# Altium PCB RK_NVR_DEMO1_RK3588_LP4XD200P232SD8_V21_20211228_final_lint.PcbDoc (part 16 of 29) (continued)
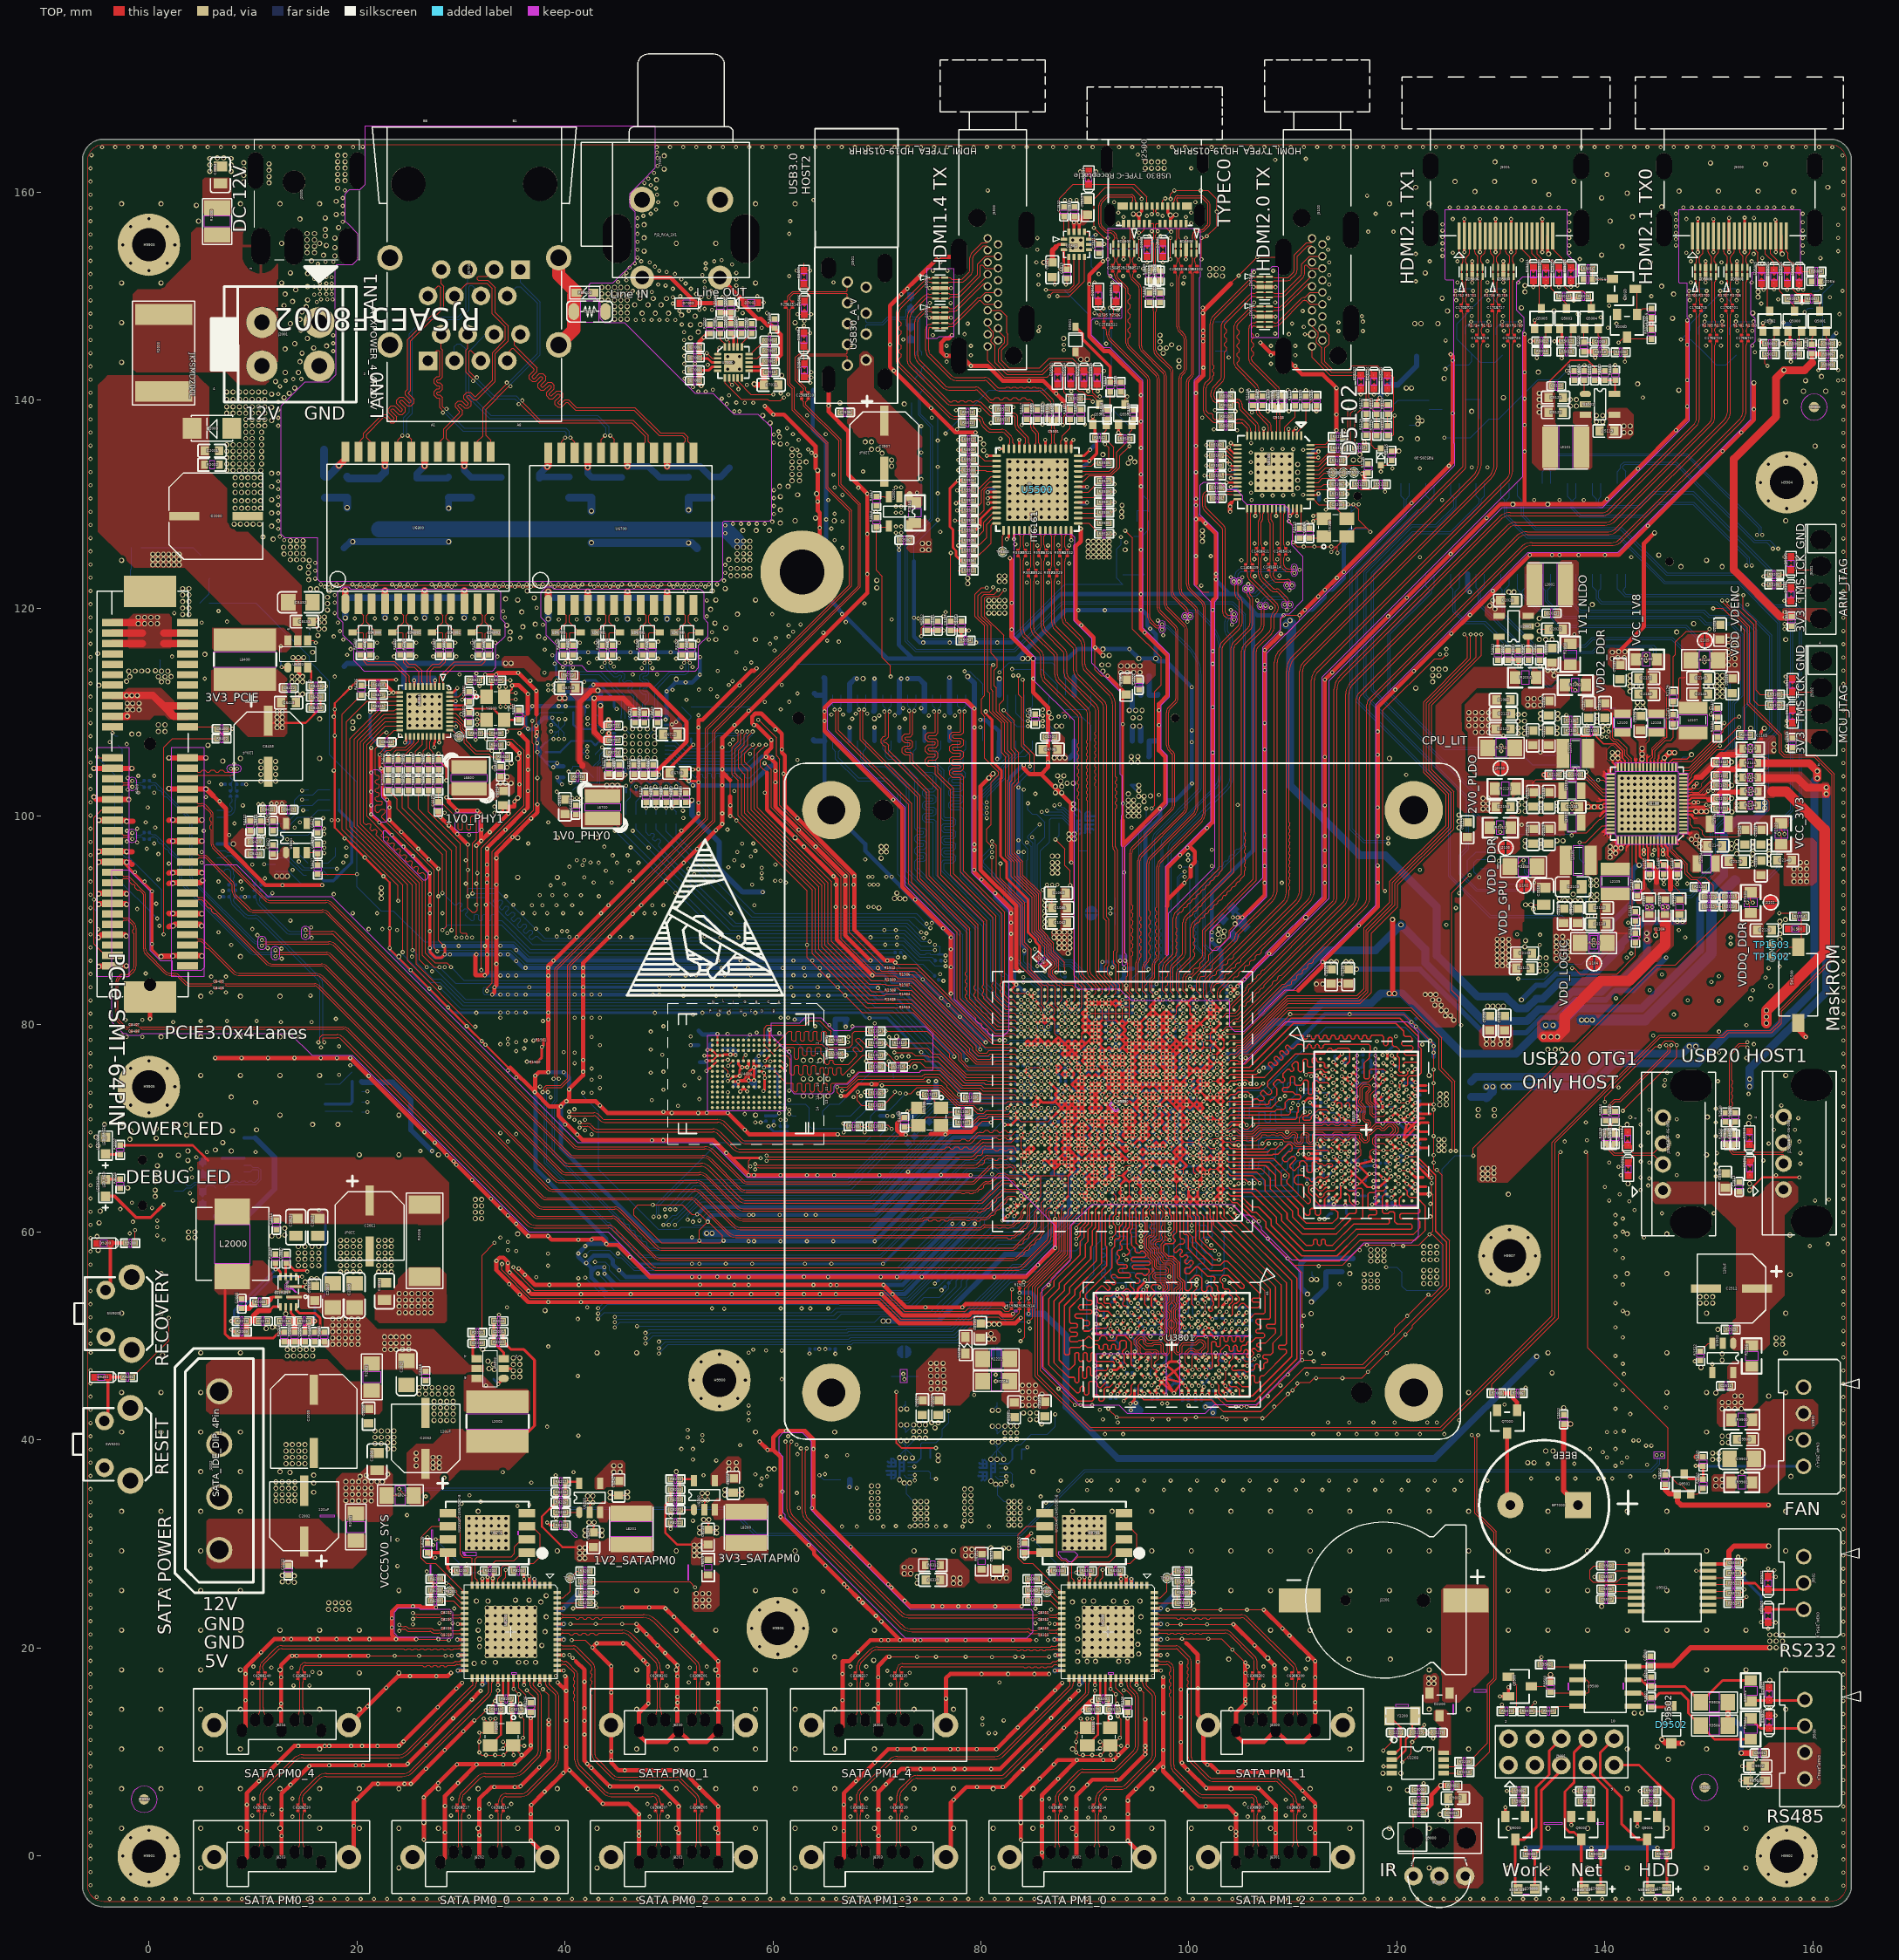
[diagram p0: TOP view]
## Nets (pads, with @x,y where several pads share a name; then routed paths per layer and width w, separated by ;. In a path a pad name is that pad's centre, name@x,y a point inside that pad or via, vN(x,y) a via of type N, cw(c..) or ccw(c..) an arc to the next point about the centre after c; other vN are vias at no path point) (continued)
HDMI0_TX0P_PORT: C1700.2 ED5001.1 ED5001.10 J5000.7 R1707.1 | length 7
  TOP w0.076: J5000.7@151.437,155.791 151.437,154.267 ccw(c151.707,154.267) 151.516,154.076 151.706,153.886 cw(c151.522,153.702) 151.782,153.702 151.782,153.281 cw(c151.641,153.281) 151.741,153.182 ccw(c151.865,153.057) 151.689,153.057 ED5001.10@151.689,152.774 ED5001.1@151.689,151.899 151.689,151.634 ccw(c151.909,151.634) 151.754,151.479 cw(c151.643,151.368) 151.8,151.368 151.8,150.576 cw(c151.093,150.576) 151.593,150.076 151.673,149.996 cw(c151.374,149.697) 151.797,149.697 151.797,149.55 cw(c151.207,149.55) C1700.2@151.624,149.133
HDMI0_TX0P_PORT/EDP0_TX_D0P: C1700.1 U1000.AJ2 | length 94
  TOP w0.076: U1000.AJ2@103.691,80.056 ccw(c103.691,80.609) 104.082,80.218 104.22,80.356 cw(c104.582,79.994) 104.582,80.506 104.639,80.506 ccw(c104.639,80.689) 104.769,80.559 108.042,83.832 108.042,83.921 108.042,84.009 108.204,84.171 108.381,84.171 108.543,84.333 108.543,84.422 108.543,84.51 108.705,84.672 108.882,84.672 115.701,91.491 ccw(c114.75,92.442) 116.095,92.442 116.095,111.29 cw(c116.742,111.291) 116.284,111.749 116.358,111.821 131.417,126.88 cw(c132.534,125.763) 132.534,127.343 140.199,127.343 ccw(c140.199,128.585) 141.078,127.707 141.219,127.848 151.447,138.077 ccw(c150.598,138.927) 151.8,138.927 151.8,148.208 ccw(c151.2,148.208) C1700.1@151.624,148.632
HDMI0_TX1N_PORT: C1703.2 ED5000.5 ED5000.6 J5000.6 R1704.1 | length 10
  TOP w0.076: C1703.2@150.752,146.212 cw(c151.175,146.635) 150.576,146.635 150.576,146.656 150.577,146.85 cw(c150.813,146.85) 150.646,147.017 R1704.1@150.784,147.155 cw(c151.284,147.656) 150.576,147.656 150.576,151.357 cw(c150.758,151.357) 150.578,151.383 cw(c150.758,151.357) 150.63,151.486 ccw(c150.492,151.624) 150.687,151.624 ED5000.5@150.687,151.899 ED5000.6@150.687,152.774 150.687,153.037 ccw(c150.462,153.037) 150.621,153.196 150.588,153.229 cw(c150.712,153.353) 150.537,153.353 150.537,153.684 cw(c150.841,153.684) 150.626,153.899 150.778,154.051 150.855,154.128 ccw(c150.66,154.324) 150.937,154.324 J5000.6@150.937,155.791
HDMI0_TX1N_PORT/EDP0_TX_D1N: C1703.1 U1000.AK2 | length 90.6
  TOP w0.076: U1000.AK2@103.691,80.706 103.762,80.777 104.361,80.777 ccw(c104.361,81.292) 104.725,80.928 105.122,81.325 105.122,81.609 105.24,81.727 105.296,81.727 ; 105.296,81.727 105.352,81.727 105.514,81.889 105.514,81.944 105.514,82.001 105.676,82.163 105.732,82.163 ; 105.732,82.162 105.788,82.162 105.95,82.324 105.95,82.38 ; 105.95,82.381 105.95,82.437 106.112,82.599 106.168,82.599 ; 106.168,82.598 106.224,82.598 106.386,82.76 106.386,82.816 ; 106.386,82.817 106.386,82.873 106.548,83.035 106.604,83.035 106.66,83.034 106.822,83.196 106.822,83.252 ; 106.821,83.253 106.821,83.308 106.984,83.47 107.039,83.47 ; 107.04,83.47 107.096,83.47 107.258,83.632 107.258,83.688 ; 107.257,83.688 107.257,83.744 114.997,91.484 ccw(c114.124,92.356) 115.358,92.356 115.358,111.753 cw(c116.572,111.753) 115.714,112.611 130.852,127.75 cw(c131.404,127.198) 131.404,127.978 139.996,127.978 ccw(c139.996,129.423) 141.017,128.401 141.197,128.581 150.253,137.636 ccw(c149.471,138.418) 150.576,138.418 150.576,145.287 cw(c151.175,145.287) C1703.1@150.752,145.711
HDMI0_TX1P_PORT: C1702.2 ED5000.4 ED5000.7 J5000.4 R1705.1 | length 9.9
  TOP w0.076: J5000.4@149.937,155.791 149.937,154.262 ccw(c150.252,154.262) 150.029,154.039 150.182,153.886 cw(c149.998,153.703) 150.258,153.703 150.258,153.301 cw(c150.015,153.301) 150.221,153.173 ccw(c150.303,153.09) 150.187,153.09 ED5000.7@150.187,152.774 ED5000.4@150.187,151.899 150.187,151.607 ccw(c150.34,151.607) 150.232,151.498 cw(c150.074,151.341) 150.297,151.341 150.297,147.654 cw(c149.591,147.654) R1705.1@150.09,147.155 150.228,147.017 cw(c150.061,146.85) 150.297,146.85 150.297,146.772 150.297,146.635 cw(c149.698,146.635) C1702.2@150.122,146.212
HDMI0_TX1P_PORT/EDP0_TX_D1P: C1702.1 U1000.AK3 | length 90.6
  TOP w0.076: U1000.AK3@103.041,80.706 103.281,80.706 103.632,81.057 104.361,81.057 ccw(c104.361,81.292) 104.527,81.126 104.843,81.441 104.843,81.725 114.799,91.681 ccw(c114.124,92.356) 115.079,92.356 115.079,111.753 cw(c116.572,111.753) 115.516,112.809 130.655,127.947 cw(c131.404,127.198) 131.404,128.258 139.996,128.258 ccw(c139.996,129.423) 140.82,128.599 140.999,128.778 150.055,137.834 ccw(c149.471,138.418) 150.297,138.418 150.297,145.288 ccw(c149.698,145.288) C1702.1@150.122,145.711
HDMI0_TX2N_PORT: C1705.2 ED5000.2 ED5000.9 J5000.3 R1702.1 | length 7
  TOP w0.076: C1705.2@149.252,149.133 cw(c149.675,149.556) 149.077,149.556 149.077,149.725 cw(c149.425,149.725) 149.179,149.971 R1702.1@149.284,150.076 cw(c149.784,150.577) 149.076,150.577 149.076,151.364 cw(c149.241,151.364) 149.125,151.481 ccw(c148.975,151.631) 149.187,151.631 ED5000.2@149.187,151.899 ED5000.9@149.187,152.774 149.187,153.13 149.089,153.228 149.089,153.72 cw(c149.247,153.72) 149.124,153.818 cw(c149.246,153.719) 149.135,153.831 149.356,154.051 ccw(c149.162,154.246) 149.437,154.246 J5000.3@149.437,155.791
HDMI0_TX2N_PORT/EDP0_TX_D2N: C1705.1 U1000.AL1 | length 91.5
  TOP w0.076: U1000.AL1@104.341,81.356 104.309,81.356 104.233,81.432 104.233,81.66 105.757,83.184 105.757,83.351 113.989,91.582 ccw(c113.381,92.19) 114.241,92.19 114.241,112.205 cw(c115.616,112.205) 114.644,113.178 114.794,113.328 129.983,128.517 cw(c130.889,127.611) 130.889,128.893 139.753,128.893 ccw(c139.753,129.923) 140.482,129.194 148.813,137.526 ccw(c148.173,138.165) 149.078,138.165 149.078,148.245 cw(c149.177,148.245) 149.078,148.252 cw(c149.676,148.208) C1705.1@149.252,148.632
HDMI0_TX2P_PORT: C1704.2 ED5000.1 ED5000.10 J5000.1 R1703.1 | length 7
  TOP w0.076: J5000.1@148.437,155.791 148.437,154.306 ccw(c148.671,154.306) 148.505,154.14 148.759,153.886 cw(c148.636,153.764) 148.783,153.856 cw(c148.637,153.763) 148.81,153.763 148.81,153.253 148.687,153.13 ED5000.10@148.687,152.774 ED5000.1@148.687,151.899 148.687,151.587 ccw(c148.793,151.587) 148.718,151.512 cw(c148.526,151.321) 148.788,151.391 cw(c148.527,151.32) 148.797,151.321 148.797,150.575 cw(c148.091,150.575) R1703.1@148.59,150.076 148.672,149.994 cw(c148.37,149.693) 148.797,149.693 148.797,149.556 cw(c148.199,149.556) C1704.2@148.622,149.133
HDMI0_TX2P_PORT/EDP0_TX_D2P: C1704.1 U1000.AL2 | length 91.9
  TOP w0.076: U1000.AL2@103.691,81.356 103.786,81.356 103.954,81.523 103.954,81.776 105.478,83.3 105.478,83.466 105.639,83.628 105.639,83.74 105.801,83.902 105.913,83.902 106.075,84.064 106.075,84.176 106.237,84.338 106.349,84.338 106.511,84.5 106.511,84.612 106.673,84.774 106.785,84.774 106.947,84.936 106.947,85.048 107.109,85.21 107.221,85.21 110.143,88.132 113.791,91.78 ccw(c113.382,92.19) 113.961,92.19 113.961,112.205 cw(c115.616,112.205) 114.446,113.375 114.596,113.526 129.785,128.715 cw(c130.889,127.611) 130.889,129.172 139.753,129.172 ccw(c139.753,129.923) 140.284,129.392 148.615,137.723 ccw(c148.173,138.165) 148.798,138.165 148.798,148.245 ; C1704.1@148.622,148.632 148.667,148.587 cw(c148.353,148.273) 148.797,148.273 148.797,148.245
HDMI0_TX3N_PORT: C1707.2 ED5001.5 ED5001.6 J5000.12 R1700.1 | length 9.9
  TOP w0.076: 153.579,147.594 ccw(c154.137,147.594) 153.742,147.199 R1700.1@153.786,147.155 ; 153.579,147.595 153.577,147.595 ccw(c152.588,147.654) 153.579,147.657 153.579,151.346 cw(c153.789,151.346) 153.64,151.494 ccw(c153.522,151.612) 153.689,151.612 ED5001.5@153.689,151.899 ED5001.6@153.689,152.774 153.689,153.061 ccw(c153.522,153.061) 153.64,153.179 cw(c153.772,153.312) 153.585,153.312 153.585,153.684 cw(c153.889,153.684) 153.674,153.899 153.862,154.087 ccw(c153.682,154.267) 153.937,154.267 J5000.12@153.937,155.791 ; C1707.2@153.754,146.212 cw(c154.178,146.635) 153.579,146.635 153.579,146.656 cw(c154.284,146.656) R1700.1@153.786,147.155
HDMI0_TX3N_PORT/EDP0_TX_D3N: C1707.1 U1000.AH2 | length 93.3
  TOP w0.076: U1000.AH2@103.691,79.405 103.767,79.482 104.791,79.482 ccw(c104.791,80.08) 105.213,79.657 109.135,83.579 109.338,83.579 109.5,83.741 109.601,83.741 109.703,83.74 109.865,83.902 109.865,84.003 ; 109.864,84.004 109.864,84.105 110.026,84.267 110.128,84.267 ; 110.128,84.267 110.229,84.267 110.391,84.429 110.391,84.53 110.391,84.631 110.553,84.793 110.654,84.793 110.755,84.793 110.917,84.955 110.917,85.056 110.917,85.158 111.079,85.32 111.18,85.32 ; 111.181,85.319 111.282,85.319 111.444,85.481 111.444,85.582 ; 111.443,85.583 111.443,85.684 111.605,85.846 111.706,85.846 111.808,85.845 111.97,86.007 111.97,86.109 111.97,86.21 117.035,91.275 ccw(c116.176,92.134) 117.39,92.134 117.39,110.719 cw(c117.911,110.719) 117.543,111.087 132.122,125.667 cw(c132.981,124.808) 132.981,126.022 140.606,126.022 ccw(c140.606,127.494) 141.646,126.453 153.104,137.911 153.125,137.933 ccw(c152.03,139.027) 153.579,139.027 153.579,145.287 cw(c154.178,145.287) C1707.1@153.754,145.711
HDMI0_TX3P_PORT: C1706.2 ED5001.4 ED5001.7 J5000.10 R1701.1 | length 9.9
  TOP w0.076: J5000.10@152.937,155.791 152.937,154.369 ccw(c153.395,154.369) 153.071,154.045 153.23,153.886 cw(c153.046,153.702) 153.306,153.702 153.306,153.313 cw(c153.145,153.313) 153.259,153.2 ccw(c153.427,153.031) 153.189,153.031 ED5001.7@153.189,152.774 ED5001.4@153.189,151.899 153.189,151.62 ccw(c153.375,151.62) 153.244,151.489 cw(c153.109,151.354) 153.299,151.354 153.299,147.657 cw(c152.589,147.657) R1701.1@153.092,147.155 cw(c152.593,146.656) 153.299,146.656 153.299,146.635 cw(c152.701,146.635) C1706.2@153.124,146.212
HDMI0_TX3P_PORT/EDP0_TX_D3P: C1706.1 U1000.AH3 | length 93
  TOP w0.076: U1000.AH3@103.041,79.405 103.281,79.405 103.637,79.761 104.79,79.761 ccw(c104.79,80.08) 105.016,79.855 109.019,83.858 109.223,83.858 116.837,91.473 ccw(c116.176,92.134) 117.111,92.134 117.111,110.719 cw(c117.911,110.719) 117.345,111.285 131.925,125.864 cw(c132.981,124.808) 132.981,126.302 140.606,126.302 ccw(c140.606,127.494) 141.449,126.651 141.576,126.778 152.905,138.107 152.927,138.13 ccw(c152.03,139.027) 153.299,139.027 153.299,145.288 ccw(c152.701,145.288) C1706.1@153.124,145.711
HDMI0_TX_CEC_PORT: ED5005.1 J5000.13 Q5002.3 | length 7.9
  TOP w0.102: J5000.13@154.437,155.791 154.437,154.457 154.728,154.166 154.728,152.818 ED5005.1@155.044,152.503 155.136,152.503 155.65,151.988 155.65,148.742 Q5002.3@155.841,148.551
HDMI0_TX_HPD_PORT: ED5002.1 J5000.19 R5004.2 | length 5.2
  TOP w0.102: J5000.19@157.437,155.791 157.437,154.302 157.624,154.115 157.624,153.607 158.183,153.048 158.386,153.048 158.659,152.775 ED5002.1@158.659,152.515 158.811,152.362 R5004.2@159.88,152.362
HDMI0_TX_ON_H: Q1700.1 Q1701.1 Q1702.1 Q1703.1 U1000.AL24 | length 151.6
  TOP w0.089: 88.079,83.96 89.3,83.96
  TOP w0.102: v4(81.678,121.755) 81.271,121.349 80.332,121.349 80.052,121.069 80.052,119.215 80.967,118.301 80.967,115.659 81.576,115.05 81.576,114.338 81.271,114.034 81.271,112.51 81.475,112.306 81.475,110.071 82.592,108.954 82.592,106.312 82.999,105.906 82.999,103.467 82.795,103.264 82.795,96.288 83.507,95.577 83.507,94.239 85.339,92.406 85.339,89.01 85.945,88.404 85.945,88.227 86.555,87.618 86.555,86.805 87.266,86.094 87.266,85.484 86.91,85.128 86.91,84.824 87.367,84.366 87.672,84.366 88.079,83.96 ; 89.3,83.96 89.693,83.566 89.693,81.658 U1000.AL24@89.391,81.356
  L4-S1 w0.102: v4(124.756,116.066) 124.248,116.574 124.248,122.162 129.836,127.75 129.836,129.578 131.055,130.798 138.066,130.798 146.092,138.824 146.092,144.615 v4(147.311,145.834)
  L6-S2 w0.102: v4(81.678,121.755) 82.084,122.162 82.592,122.162 82.795,121.958 90.009,121.958 90.212,122.162 95.629,122.162 100.811,116.98 108.144,116.98 108.753,116.37 124.451,116.37 v4(124.756,116.066)
  BOTTOM w0.102: Q1700.1@152.643,144.376 151.662,143.396 150.702,143.396 Q1702.1@149.671,144.427 148.264,145.834 v4(147.311,145.834) 148.226,146.749 148.226,147.333 149.671,148.778 Q1701.1@149.671,148.847 150.846,150.022 151.467,150.022 Q1703.1@152.643,148.847
  other v3: 124.756,116.066 81.678,121.755 147.311,145.834
  other v12: 124.756,116.066 81.678,121.755
  other v17: 124.756,116.066 147.311,145.834
HDMI0_TX_SCL_PORT: ED5004.1 J5000.15 Q5000.3 R5001.2 | length 8.5
  TOP w0.102: J5000.15@155.437,155.791 155.437,154.067 156.246,153.258 ED5004.1@156.246,152.515 156.338,152.515 156.793,152.059 156.793,150.474 R5001.2@157.541,149.727 158.245,149.023 Q5000.3@158.245,148.551
HDMI0_TX_SDA_PORT: ED5003.1 J5000.16 Q5001.3 R5007.2 | length 10.1
  TOP w0.102: J5000.16@155.937,155.791 155.937,154.073 ED5003.1@157.507,152.503 157.599,152.503 158.063,152.039 158.063,150.635 158.444,150.254 159.841,150.254 160.339,149.756 R5007.2@160.339,149.727 160.651,149.415 Q5001.3@160.651,148.551
HDMI1_TX0N_PORT: C1717.2 ED5007.2 ED5007.9 J5001.9 R1715.1 | length 7.3
  TOP w0.076: C1717.2@129.801,149.133 129.684,149.249 cw(c129.825,149.39) 129.625,149.39 129.625,149.797 cw(c129.8,149.797) 129.677,149.92 R1715.1@129.832,150.076 129.712,150.196 ; J5001.9@129.983,155.791 129.983,154.267 cw(c129.786,154.267) 129.925,154.128 129.862,154.064 129.658,153.861 ccw(c129.781,153.738) 129.608,153.738 129.608,153.335 ccw(c129.794,153.335) 129.662,153.203 129.687,153.179 cw(c129.57,153.061) 129.736,153.061 ED5007.9@129.736,152.774 ED5007.2@129.736,151.899 129.735,151.836 129.735,151.771 cw(c129.06,151.768) 129.677,151.496 ccw(c129.802,151.37) 129.625,151.371 129.625,150.406 ; 129.625,150.406 ccw(c129.923,150.406) 129.712,150.196 ; 129.625,150.406 129.625,150.283 129.712,150.196
HDMI1_TX0N_PORT/EDP1_TX_D0N: C1717.1 U1000.AP4 | length 77
  TOP w0.076: U1000.AP4@102.391,83.306 102.38,83.316 102.38,83.554 cw(c102.569,83.554) 102.435,83.687 102.658,83.909 102.836,83.909 102.912,83.986 102.912,84.163 103.082,84.333 103.183,84.333 ; 103.183,84.333 103.285,84.333 103.447,84.495 103.447,84.596 ; 103.446,84.596 103.446,84.697 103.608,84.859 103.709,84.859 103.811,84.859 103.973,85.021 103.973,85.122 103.972,85.224 104.134,85.386 104.236,85.386 ; 104.236,85.385 104.337,85.385 104.499,85.547 104.499,85.648 ; 104.499,85.649 104.499,85.75 104.661,85.912 104.762,85.912 ; 104.762,85.911 104.863,85.911 105.025,86.073 105.025,86.175 105.025,86.276 105.452,86.703 110.406,91.657 ccw(c109.161,92.901) 110.921,92.901 110.921,113.932 cw(c111.859,113.932) 111.196,114.595 129.031,132.431 ccw(c127.596,133.865) 129.625,133.865 129.625,148.297 cw(c130.012,148.297) 129.738,148.57 C1717.1@129.801,148.632
HDMI1_TX0P_PORT: C1716.2 ED5007.1 ED5007.10 J5001.7 R1716.1 | length 7
  TOP w0.076: J5001.7@128.983,155.791 128.983,154.266 ccw(c129.251,154.266) 129.061,154.077 129.265,153.873 cw(c129.111,153.72) 129.328,153.72 129.328,153.329 cw(c129.072,153.329) 129.283,153.183 ccw(c129.397,153.069) 129.235,153.069 ED5007.10@129.235,152.774 ED5007.1@129.235,151.899 129.235,151.689 ccw(c129.613,151.689) 129.297,151.483 cw(c129.178,151.364) 129.346,151.364 129.346,150.406 cw(c129.049,150.406) 129.259,150.196 R1716.1@129.139,150.076 129.295,149.92 cw(c129.171,149.797) 129.346,149.797 129.346,149.39 cw(c129.147,149.39) 129.288,149.25 C1716.2@129.17,149.133
HDMI1_TX0P_PORT/EDP1_TX_D0P: C1716.1 U1000.AN4 | length 77.2
  TOP w0.076: U1000.AN4@102.391,82.656 102.391,82.856 102.101,83.146 102.101,83.554 cw(c102.569,83.554) 102.238,83.884 110.208,91.855 ccw(c109.162,92.901) 110.641,92.901 110.641,113.932 cw(c111.859,113.932) 110.998,114.793 128.833,132.628 ccw(c127.596,133.865) 129.346,133.865 129.346,148.297 ccw(c128.959,148.297) 129.232,148.57 C1716.1@129.17,148.632
HDMI1_TX1N_PORT: C1719.2 ED5006.5 ED5006.6 J5001.6 R1713.1 | length 10
  TOP w0.076: C1719.2@128.298,146.212 128.218,146.292 cw(c128.448,146.521) 128.123,146.521 128.123,146.85 cw(c128.359,146.85) 128.192,147.017 R1713.1@128.33,147.155 128.264,147.221 cw(c128.604,147.562) 128.123,147.562 128.123,151.495 cw(c128.235,151.495) 128.156,151.574 ccw(c127.857,151.803) 128.233,151.803 ED5006.5@128.233,151.899 ED5006.6@128.233,152.774 128.233,153.043 ccw(c128.022,153.043) 128.171,153.192 128.123,153.24 cw(c128.219,153.337) 128.083,153.336 128.083,153.738 cw(c128.258,153.738) 128.134,153.861 128.338,154.064 128.371,154.097 ccw(c128.098,154.369) 128.483,154.369 J5001.6@128.483,155.791
HDMI1_TX1N_PORT/EDP1_TX_D1N: C1719.1 U1000.AN5 | length 75.1
  TOP w0.076: U1000.AN5@101.741,82.656 101.687,82.71 101.687,83.923 cw(c102.035,83.923) 101.789,84.168 101.849,84.228 101.917,84.228 101.992,84.304 101.992,84.372 102.296,84.676 102.403,84.675 102.51,84.675 102.672,84.837 102.672,85.051 102.833,85.212 103.047,85.212 103.209,85.374 103.209,85.588 103.37,85.749 103.584,85.749 103.746,85.911 103.746,86.125 103.907,86.286 104.121,86.286 104.282,86.448 104.282,86.662 109.238,91.617 ccw(c108.259,92.596) 109.643,92.596 109.643,92.92 109.719,92.997 109.719,93.225 109.643,93.301 109.643,93.53 109.719,93.606 109.719,93.835 109.643,93.911 109.643,94.14 109.719,94.216 109.719,94.444 109.643,94.521 109.643,94.749 109.719,94.825 109.719,95.054 109.643,95.13 109.643,95.359 109.719,95.435 109.719,95.664 109.643,95.74 109.643,95.968 109.719,96.045 109.719,96.273 109.643,96.349 109.643,96.578 109.719,96.654 109.719,96.883 109.643,96.959 109.643,97.188 109.719,97.264 109.719,97.492 109.643,97.569 109.643,97.797 109.719,97.873 109.719,98.102 109.643,98.178 109.643,98.407 109.719,98.483 109.719,98.712 109.643,98.788 109.643,99.016 109.719,99.093 109.719,99.321 109.643,99.397 109.643,113.934 cw(c111.416,113.934) 110.162,115.188 127.515,132.541 ccw(c126.049,134.007) 128.123,134.007 128.123,145.287 cw(c128.722,145.287) C1719.1@128.298,145.711
HDMI1_TX1P_PORT: C1718.2 ED5006.4 ED5006.7 J5001.4 R1714.1 | length 9.9
  TOP w0.076: J5001.4@127.483,155.791 127.483,154.267 ccw(c127.812,154.267) 127.579,154.035 127.741,153.873 cw(c127.588,153.721) 127.804,153.721 127.804,153.301 cw(c127.562,153.301) 127.771,153.179 ccw(c127.862,153.088) 127.733,153.088 ED5006.7@127.733,152.774 ED5006.4@127.733,151.899 127.733,151.695 ccw(c127.975,151.695) 127.804,151.524 cw(c127.709,151.429) 127.843,151.429 127.843,151.209 127.844,147.562 cw(c127.362,147.562) 127.703,147.221 R1714.1@127.637,147.155 127.774,147.017 cw(c127.607,146.85) 127.844,146.85 127.844,146.521 cw(c127.519,146.521) 127.749,146.292 C1718.2@127.668,146.212
HDMI1_TX1P_PORT/EDP1_TX_D1P: C1718.1 U1000.AM5 | length 74.6
  TOP w0.076: U1000.AM5@101.741,82.006 101.741,82.246 101.408,82.579 101.408,83.923 cw(c102.035,83.923) 101.591,84.366 109.04,91.815 ccw(c108.259,92.595) 109.364,92.596 109.364,113.934 cw(c111.416,113.934) 109.965,115.385 127.317,132.738 ccw(c126.049,134.007) 127.843,134.007 127.843,145.288 ccw(c127.245,145.288) C1718.1@127.668,145.711
HDMI1_TX2N_PORT: C1721.2 ED5006.2 ED5006.9 J5001.3 R1711.1 | length 7
  TOP w0.076: C1721.2@126.798,149.133 126.753,149.178 cw(c127.067,149.492) 126.623,149.492 126.623,149.576 126.623,149.797 cw(c126.798,149.797) 126.674,149.92 R1711.1@126.83,150.076 126.71,150.196 cw(c126.92,150.406) 126.623,150.406 126.623,151.325 126.623,151.398 cw(c126.809,151.398) 126.677,151.53 ccw(c126.356,151.727) 126.733,151.727 ED5006.2@126.733,151.899 ED5006.9@126.733,152.774 126.733,153.054 ccw(c126.616,153.054) 126.699,153.137 126.65,153.186 cw(c126.715,153.251) 126.623,153.251 126.623,153.561 cw(c126.887,153.561) 126.69,153.737 cw(c126.886,153.56) 126.7,153.747 126.843,153.89 ccw(c126.506,154.228) 126.983,154.228 J5001.3@126.983,155.791
HDMI1_TX2N_PORT/EDP1_TX_D2N: C1721.1 U1000.AP6 | length 76.2
  TOP w0.076: U1000.AP6@101.091,83.306 101.033,83.364 101.033,84.337 cw(c101.316,84.337) 101.116,84.537 101.194,84.616 101.482,84.616 101.643,84.777 101.643,85.065 101.805,85.226 102.093,85.226 102.254,85.388 102.254,85.676 104.58,88.001 ccw(c104.253,88.329) 104.716,88.329 104.716,88.43 cw(c104.926,88.43) 104.777,88.579 108.019,91.82 ccw(c106.856,92.983) 108.5,92.984 108.5,114.798 cw(c109.844,114.798) 108.894,115.748 126.518,133.373 ccw(c126.267,133.624) 126.623,133.624 126.623,148.297 cw(c127.009,148.297) 126.736,148.57 C1721.1@126.798,148.632
HDMI1_TX2P_PORT: C1720.2 ED5006.1 ED5006.10 J5001.1 R1712.1 | length 7
  TOP w0.076: J5001.1@125.983,155.791 125.983,154.251 ccw(c126.391,154.251) 126.102,153.962 126.227,153.838 cw(c125.943,153.557) 126.274,153.782 cw(c125.944,153.556) 126.343,153.556 126.343,153.332 cw(c126.123,153.332) 126.279,153.176 ccw(c126.389,153.066) 126.233,153.065 ED5006.10@126.233,152.774 ED5006.1@126.233,151.899 126.233,151.59 ccw(c126.346,151.59) 126.266,151.51 cw(c126.08,151.324) 126.343,151.324 126.343,151.209 126.344,150.385 cw(c126.098,150.385) 126.272,150.211 R1712.1@126.137,150.076 126.28,149.933 126.292,149.92 cw(c126.169,149.797) 126.344,149.797 126.344,149.692 ; C1720.2@126.168,149.133 126.213,149.178 ccw(c125.899,149.492) 126.343,149.492 126.343,149.692
HDMI1_TX2P_PORT/EDP1_TX_D2P: C1720.1 U1000.AN6 | length 76.6
  TOP w0.076: U1000.AN6@101.091,82.656 101.091,82.896 100.753,83.234 100.753,84.337 cw(c101.316,84.337) 100.918,84.735 104.382,88.199 ccw(c104.253,88.329) 104.436,88.329 104.436,88.431 cw(c104.926,88.43) 104.579,88.776 107.821,92.018 ccw(c106.856,92.983) 108.221,92.983 108.221,114.798 cw(c109.844,114.798) 108.696,115.946 126.321,133.57 ccw(c126.267,133.625) 126.343,133.625 126.343,148.297 ccw(c125.956,148.297) 126.23,148.57 C1720.1@126.168,148.632
HDMI1_TX3N_PORT: C1723.2 ED5007.5 ED5007.6 J5001.12 R1709.1 | length 10
  TOP w0.076: C1723.2@131.3,146.212 131.125,146.387 131.125,146.655 131.125,146.771 cw(c131.553,146.771) 131.25,147.073 R1709.1@131.332,147.155 131.194,147.293 cw(c131.361,147.46) 131.125,147.46 131.125,151.454 cw(c131.227,151.454) 131.155,151.526 ccw(c130.859,151.758) 131.235,151.758 ED5007.5@131.235,151.899 ED5007.6@131.235,152.774 131.235,153.079 ccw(c131.112,153.079) 131.199,153.167 131.193,153.172 cw(c131.343,153.322) 131.132,153.322 131.132,153.738 cw(c131.305,153.738) 131.159,153.832 cw(c131.305,153.738) 131.182,153.861 131.408,154.087 ccw(c131.228,154.267) 131.483,154.267 J5001.12@131.483,155.791
HDMI1_TX3N_PORT/EDP1_TX_D3N: C1723.1 U1000.AN3 | length 75.3
  TOP w0.076: U1000.AN3@103.041,82.656 103.014,82.683 103.014,83.046 cw(c103.259,83.046) 103.086,83.219 103.917,84.051 104.019,84.051 ; 104.019,84.05 104.12,84.05 104.282,84.212 104.282,84.314 ; 104.282,84.314 104.282,84.415 104.444,84.577 104.545,84.577 104.646,84.577 104.809,84.739 104.809,84.84 104.808,84.941 104.97,85.103 105.071,85.103 105.173,85.103 105.335,85.265 105.335,85.366 ; 105.334,85.367 105.334,85.468 105.496,85.63 105.597,85.63 ; 105.598,85.629 105.699,85.629 105.861,85.791 105.861,85.892 105.861,85.994 106.023,86.156 106.124,86.156 106.225,86.156 106.387,86.318 106.387,86.419 106.387,86.52 106.57,86.703 106.773,86.703 106.976,86.906 106.976,87.108 111.625,91.759 ccw(c110.585,92.799) 112.056,92.799 112.056,113.056 cw(c113.216,113.056) 112.396,113.877 130.732,132.213 ccw(c129.784,133.161) 131.125,133.161 131.125,145.428 cw(c131.385,145.428) 131.201,145.612 C1723.1@131.3,145.711
HDMI1_TX3P_PORT: C1722.2 ED5007.4 ED5007.7 J5001.10 R1710.1 | length 10
  TOP w0.076: J5001.10@130.483,155.791 130.483,154.249 ccw(c130.653,154.249) 130.533,154.129 130.789,153.873 cw(c130.635,153.721) 130.817,153.838 cw(c130.635,153.72) 130.852,153.72 130.852,153.315 cw(c130.687,153.315) 130.804,153.199 ccw(c130.97,153.033) 130.735,153.033 ED5007.7@130.735,152.774 ED5007.4@130.735,151.899 130.735,151.725 ccw(c130.938,151.725) 130.795,151.582 cw(c130.671,151.458) 130.846,151.458 130.846,147.46 cw(c130.61,147.46) 130.777,147.293 R1710.1@130.639,147.155 130.721,147.073 cw(c130.418,146.771) 130.846,146.771 ; C1722.2@130.67,146.212 130.846,146.387 130.846,146.771
HDMI1_TX3P_PORT/EDP1_TX_D3P: C1722.1 U1000.AM3 | length 75.4
  TOP w0.076: U1000.AM3@103.041,82.006 103.041,82.206 102.734,82.512 102.734,83.046 cw(c103.259,83.046) 102.888,83.417 111.428,91.956 ccw(c110.585,92.799) 111.777,92.799 111.777,113.056 cw(c113.216,113.056) 112.198,114.074 130.534,132.41 ccw(c129.784,133.161) 130.846,133.161 130.846,145.428 ccw(c130.585,145.428) 130.769,145.612 C1722.1@130.67,145.711
HDMI1_TX_CEC_PORT: ED5011.1 J5001.13 Q5005.3 | length 7.8
  TOP w0.102: J5001.13@131.983,155.791 131.983,154.566 132.816,153.734 132.816,153.039 ED5011.1@133.098,152.757 133.19,152.757 133.705,152.242 133.705,148.996 Q5005.3@133.895,148.805
HDMI1_TX_HPD_PORT: ED5008.1 J5001.19 R5016.2 | length 5
  TOP w0.102: J5001.19@134.983,155.791 134.983,154.499 ED5008.1@136.713,152.769 136.866,152.616 R5016.2@137.935,152.616
HDMI1_TX_ON_H: Q1704.1 Q1705.1 Q1706.1 Q1707.1 U1000.AK25 | length 117
  TOP w0.102: v4(88.415,81.031) U1000.AK25@88.74,80.706
  L4-S1 w0.102: v4(94.479,98.895) 94.784,98.59 95.597,98.59 97.832,100.826 97.832,116.777 98.239,117.183 98.239,118.809 97.731,119.317 97.731,134.76 v4(101.287,138.316)
  L6-S2 w0.102: v4(84.421,97.473) 85.031,97.473 86.555,98.997 93.87,98.997 93.971,98.895 v4(94.479,98.895) ; v4(101.287,138.316) 101.287,138.722 102.607,140.043 114.596,140.043 115.917,141.364 120.083,141.364 121.708,142.99 v4(124.655,142.99)
  BOTTOM w0.089: v4(88.415,81.031) 88.604,81.031 88.917,81.344 88.919,81.344 88.931,81.356 89.2,81.356 89.212,81.344 89.222,81.344 89.501,81.623 89.501,83.147 89.196,83.452 89.196,84.081
  BOTTOM w0.102: v4(84.421,97.473) 84.827,97.066 84.827,92.596 85.132,92.291 85.132,88.837 85.945,88.024 85.945,87.313 87.672,85.586 88.485,85.586 89.196,84.874 89.196,84.081 ; v4(124.655,142.99) 125.061,143.396 126.89,143.396 127.217,143.723 Q1706.1@127.217,144.427 ; Q1704.1@130.189,144.376 129.463,143.65 127.994,143.65 Q1706.1@127.217,144.427 ; Q1707.1@130.189,148.847 129.013,150.022 128.393,150.022 Q1705.1@127.217,148.847 127.217,148.778 125.772,147.333 125.772,145.872 Q1706.1@127.217,144.427
  other v3: 88.415,81.031 84.421,97.473 94.479,98.895 101.287,138.316 124.655,142.99
  other v12: 84.421,97.473 94.479,98.895 101.287,138.316 124.655,142.99
  other v17: 94.479,98.895 101.287,138.316
HDMI1_TX_SCL_PORT: ED5010.1 J5001.15 Q5003.3 R5013.2 | length 8.4
  TOP w0.102: J5001.15@132.983,155.791 132.983,154.086 ED5010.1@134.3,152.769 134.392,152.769 134.848,152.313 134.848,150.728 R5013.2@135.595,149.981 136.299,149.277 Q5003.3@136.299,148.805
HDMI1_TX_SDA_PORT: ED5009.1 J5001.16 Q5004.3 R5019.2 | length 10.5
  TOP w0.102: J5001.16@133.483,155.791 133.483,154.031 133.958,153.556 134.762,153.556 ED5009.1@135.562,152.757 135.654,152.757 136.118,152.293 136.118,150.889 136.499,150.508 137.866,150.508 R5019.2@138.394,149.981 138.706,149.669 Q5004.3@138.706,148.805
HDMI2_TX0N: R5109.1 U5100.8 | length 3.5
  TOP w0.076: R5109.1@107.057,139.487 106.862,139.292 ccw(c107.126,139.027) 106.752,139.027 106.752,138.964 ccw(c107.041,138.964) 106.837,138.76 107.687,137.91 107.739,137.858 cw(c107.283,137.402) 107.928,137.402 107.928,137.073 107.988,137.013 U5100.8@107.988,136.581
HDMI2_TX0N_PORT: ED5101.2 ED5101.9 J5100.9 R5109.2 | length 17.5
  TOP w0.076: R5109.2@107.057,140.387 106.868,140.576 cw(c107.148,140.856) 106.752,140.856 106.752,140.958 ccw(c105.966,140.958) 106.522,141.513 104.711,143.324 cw(c104.885,143.498) 104.639,143.498 104.639,143.603 104.843,143.806 104.843,144.035 104.639,144.238 104.639,144.467 104.843,144.67 104.843,144.899 104.639,145.102 104.639,145.33 104.843,145.534 104.843,145.762 104.639,145.965 104.639,146.194 104.843,146.397 104.843,146.626 104.639,146.829 104.639,147.155 cw(c104.885,147.155) 104.711,147.329 105.925,148.543 cw(c106.163,148.303) 106.163,148.641 106.377,148.641 106.487,148.531 ED5101.2@106.844,148.531 ED5101.9@107.718,148.531 108.074,148.531 108.185,148.641 108.5,148.641 ccw(c108.5,149.566) 109.154,148.912 111.457,151.215 111.565,151.215 J5100.9@111.837,150.943
HDMI2_TX0P: R5108.1 U5100.9 | length 3.5
  TOP w0.076: R5108.1@106.168,139.487 106.363,139.292 cw(c106.099,139.027) 106.473,139.027 106.473,138.964 ccw(c107.041,138.964) 106.639,138.563 107.49,137.712 107.542,137.66 cw(c107.283,137.402) 107.649,137.402 107.649,137.073 107.588,137.012 U5100.9@107.588,136.581
HDMI2_TX0P_PORT: ED5101.1 ED5101.10 J5100.7 R5108.2 | length 17.4
  TOP w0.076: R5108.2@106.168,140.387 106.357,140.576 ccw(c106.077,140.856) 106.473,140.856 106.473,140.958 ccw(c105.966,140.958) 106.324,141.316 104.514,143.126 cw(c104.885,143.498) 104.36,143.498 104.36,147.155 cw(c104.885,147.155) 104.514,147.526 105.712,148.724 105.727,148.74 cw(c106.163,148.303) 106.163,148.92 106.377,148.92 106.487,149.031 ED5101.1@106.844,149.031 ED5101.10@107.718,149.031 108.074,149.031 108.185,148.92 108.5,148.92 ccw(c108.5,149.566) 108.956,149.109 111.837,151.99 J5100.7@111.837,152.098
HDMI2_TX1N: R5106.1 U5100.11 | length 5.1
  TOP w0.076: R5106.1@104.011,140.378 104.159,140.23 ccw(c104.538,140.609) 104.538,140.073 104.623,140.073 cw(c104.623,139.616) 104.946,139.939 104.983,139.902 cw(c104.648,139.568) 105.122,139.567 105.122,139.332 ccw(c105.286,139.332) 105.17,139.216 106.574,137.812 cw(c106.202,137.44) 106.728,137.44 106.728,137.073 106.788,137.013 U5100.11@106.788,136.581